# Altium PCB STB_SensorBoard.PcbDoc (part 4 of 4) (continued)
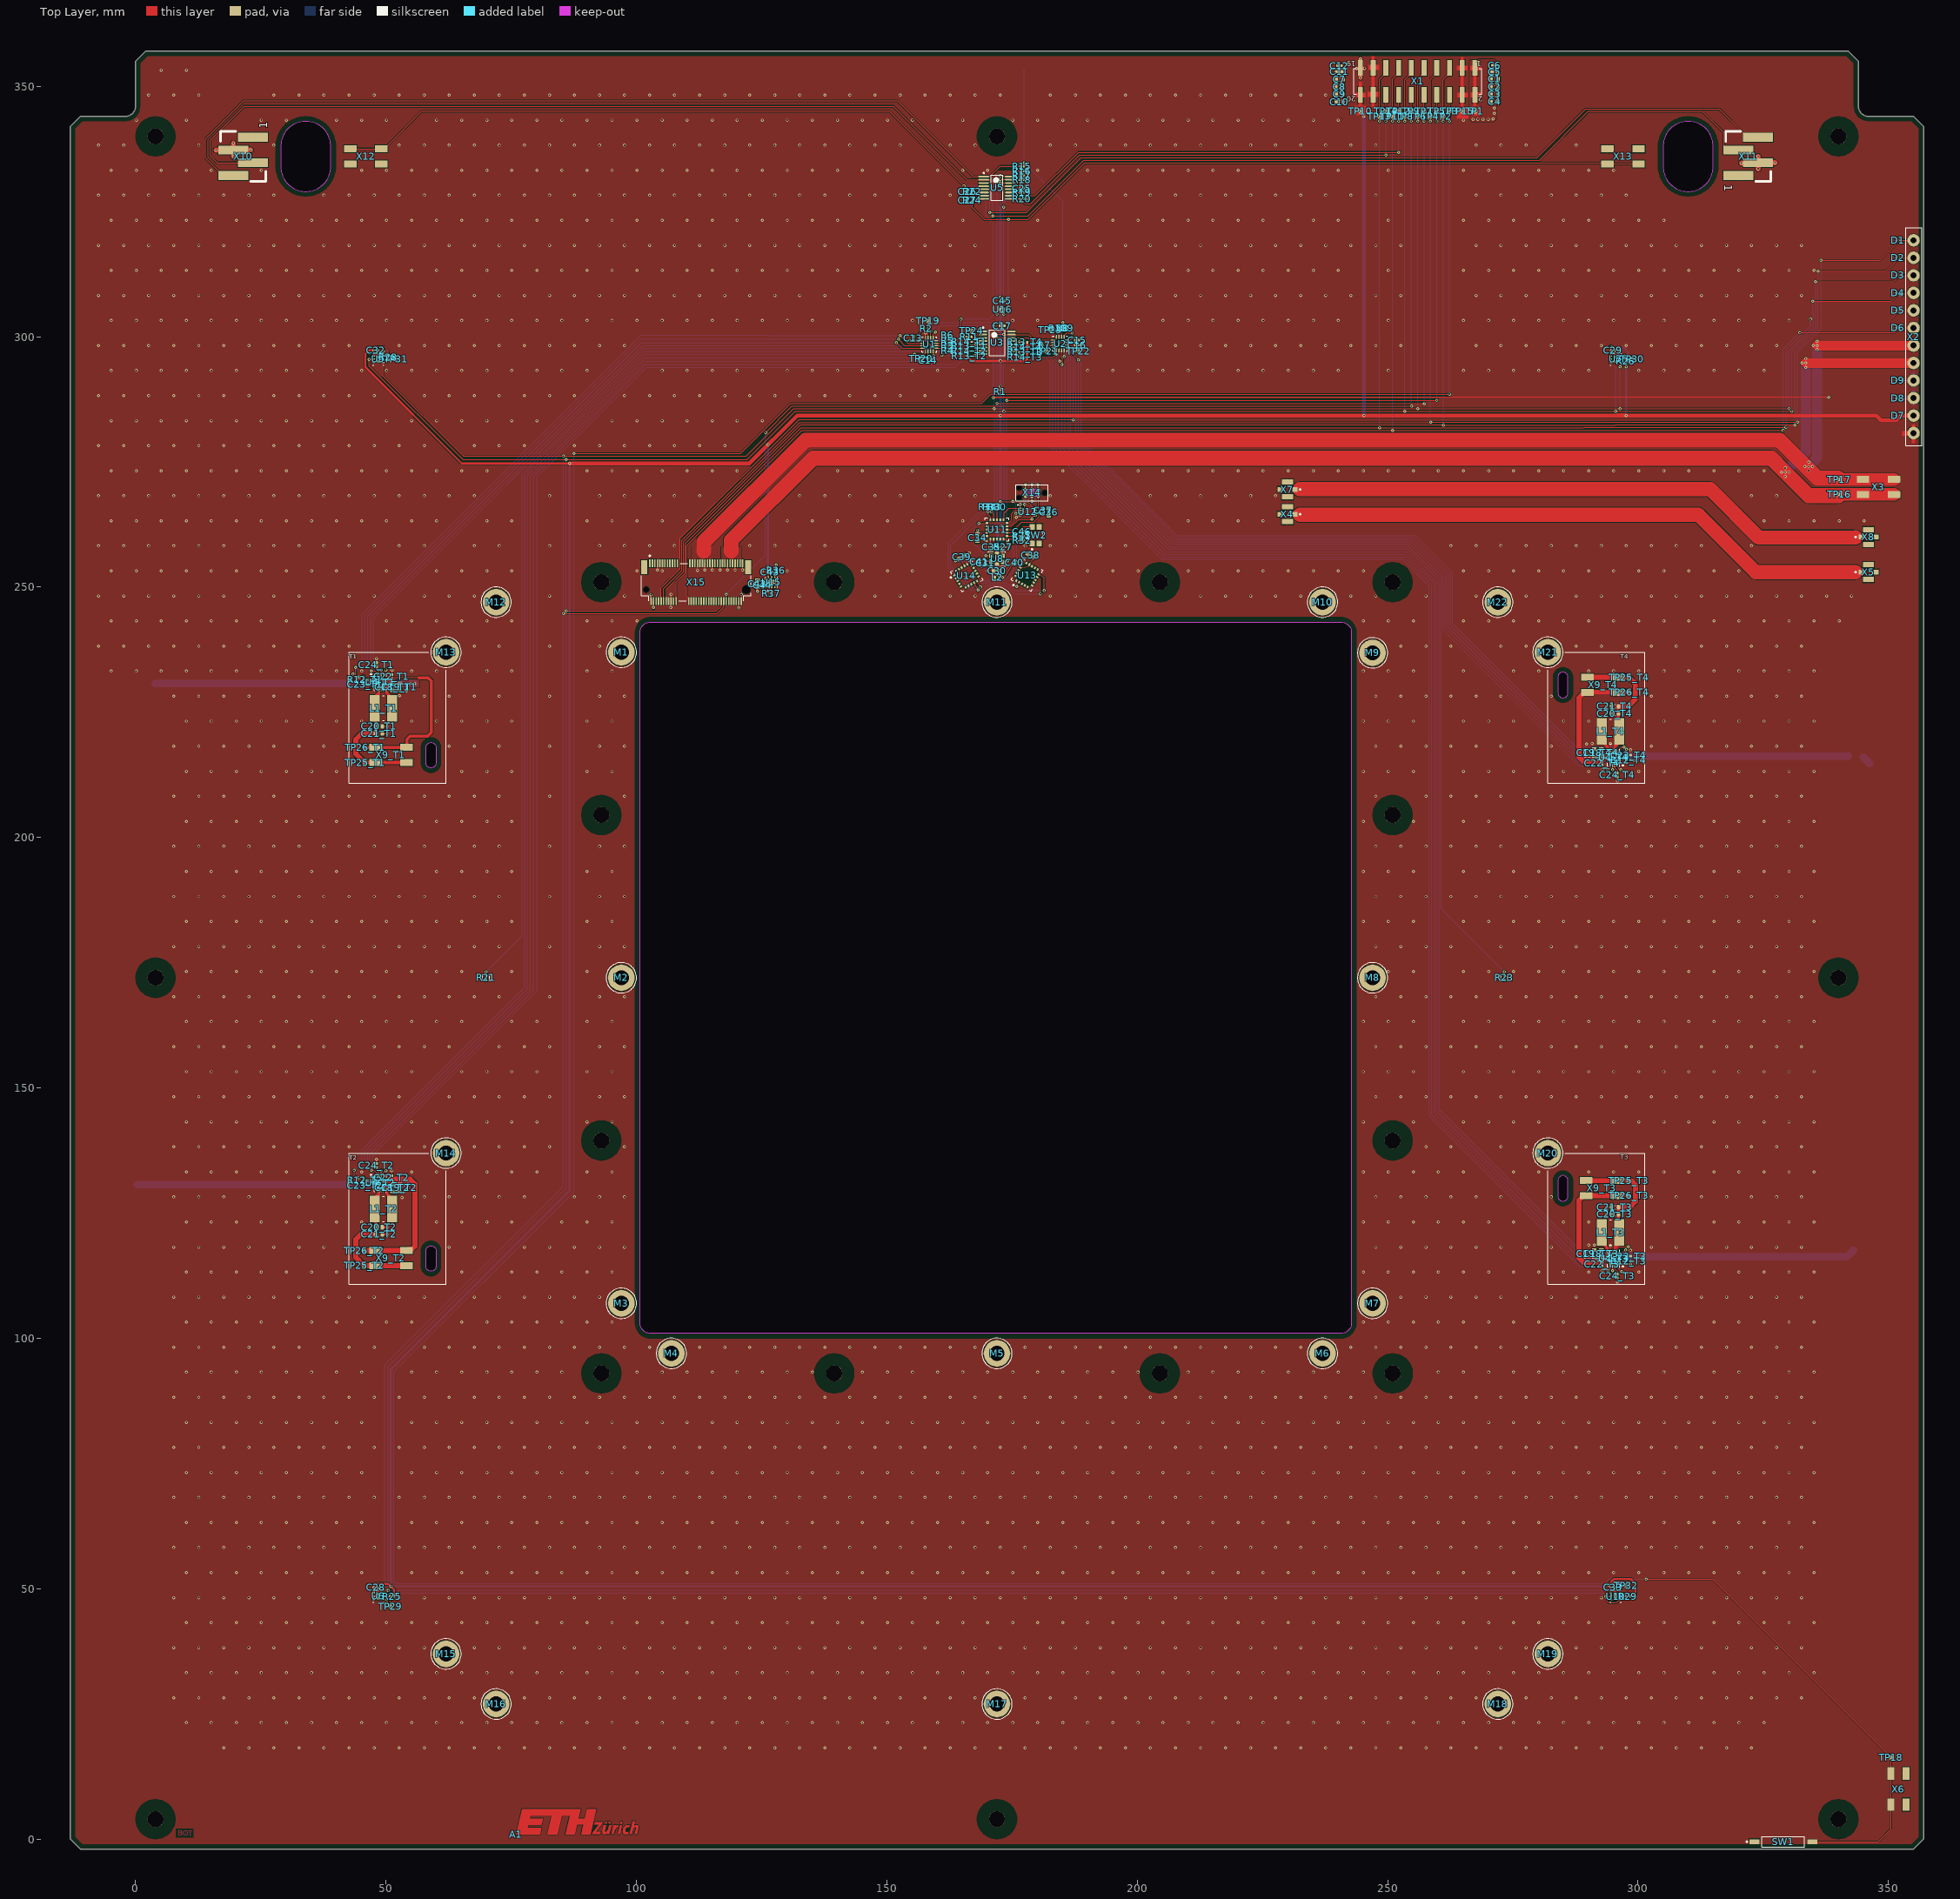
[diagram p0: Top Layer view]
## Nets (pads, with @x,y where several pads share a name; then routed paths per layer and width w, separated by ;. In a path a pad name is that pad's centre, name@x,y a point inside that pad or via, vN(x,y) a via of type N, cw(c..) or ccw(c..) an arc to the next point about the centre after c; other vN are vias at no path point) (continued)
  Top Layer w0.2: C27.2@166.099,327.64 166.099,328.194 ; C26.1@166.099,328.604 166.099,328.194 ; R24.2@167.124,327.625 167.124,328.162 ; R22.1@167.124,328.569 167.124,328.162 ; U5.7@169.35,328.162 167.124,328.162 ; 166.099,328.194 166.131,328.162 167.124,328.162
NetC26_2: C26.2 R21.1 R22.2 U5.6 X12.1 | length 381
  Top Layer w0.2: X12.1@42.9,337.5 X12.1@49.1,337.5 49.7,338.1 50.259,338.1 57.156,344.997 150.487,344.997 v1(165.416,330.067) 165.909,329.574 165.929,329.574 166.099,329.404 C26.2@166.099,329.384 166.131,329.352 167.091,329.352 167.177,329.266 167.532,329.266 168,328.797 U5.6@169.35,328.797 ; R21.1@70,172.379 v1(70,173.2) ; v1(164.8,296.833) v1(164.8,303.5)
  Bottom Layer w0.2: v1(70,173.2) 77.2,180.4 77.2,272.674 101.653,297.127 161.103,297.127 161.88,296.351 164.161,296.351 164.643,296.833 v1(164.8,296.833) ; v1(164.8,303.5) 170.56,303.5 171.26,304.2 171.26,322.629 169.8,324.089 169.8,328.2 167.933,330.067 v1(165.416,330.067)
NetC27_1: C27.1 R23.1 R24.1 U5.8 X13.1 | length 368.9
  Top Layer w0.2: C27.1@166.099,326.86 R24.1@167.152,326.86 ; U5.8@169.35,327.527 167.924,327.527 167.124,326.727 167.124,325.776 169.5,323.4 v1(174.3,323.4) 178.225,323.4 189.505,334.68 293.72,334.68 X13.1@293.9,334.5 X13.1@300.1,334.5 ; R23.1@273.325,172.379 v1(273.325,173.2)
  Bottom Layer w0.2: v1(174.3,323.4) 174.3,298.8 175.506,297.594 176.379,297.594 176.411,297.563 184.621,297.563 185.94,296.243 185.94,295.302 185.61,294.971 185.61,278.949 206.528,258.03 254.27,258.03 260.725,251.575 260.725,185.8 v1(273.325,173.2)
NetC30_2: C30.2 C31.2 L2.1 U8.6 | length 4.9
  Top Layer w0.2: L2.1@171.58,251.935 L2.1@171.675,252.03
  Top Layer w0.4: C31.2@169.6,255.193 170.713,255.193 U8.6@170.855,255.051 170.855,253.72 171.35,253.225 C30.2@171.35,253.2 171.35,252.17 171.58,251.94 L2.1@171.58,251.935
NetL1_T1_1: L1_T1.1 U4_T1.9 | length 1.6
  Top Layer w0.8: L1_T1.1@51.238,225.832 L1_T1.1@51.238,227.482
NetL1_T2_1: L1_T2.1 U4_T2.9 | length 1.6
  Top Layer w0.8: L1_T2.1@51.239,125.832 L1_T2.1@51.239,127.482
NetL1_T3_1: L1_T3.1 U4_T3.9 | length 1.6
  Top Layer w0.8: L1_T3.1@292.762,119.488 L1_T3.1@292.762,121.138
NetL1_T4_1: L1_T4.1 U4_T4.9 | length 1.6
  Top Layer w0.8: L1_T4.1@292.762,219.518 L1_T4.1@292.762,221.168
NetR2_1: R2.1 TP19.TP U1.15 | length 3.4
  Top Layer w0.2: TP19.TP@158.225,303.2 158.25,303.175 R2.1@158.25,301.6 ; R2.1@158.245,301.595 158.261,301.578 158.261,300.126 158.258,300.123 158.258,299.816 U1.15@158.261,299.813
NetR3_2: R3.2 R4.2 U1.10 | length 2.9
  Top Layer w0.2: U1.10@159.851,298.2 R3.2@161.777,298.2 R4.2@161.777,297.2
NetR5_2: R5.2 R6.2 U1.11 | length 3.4
  Top Layer w0.2: U1.11@159.851,298.7 161.277,298.7 161.627,299.05 161.627,299.075 161.752,299.2 R5.2@161.777,299.2 ; R5.2@161.777,299.2 R6.2@161.777,300.318 R6.2@161.902,300.443
NetR7_1: R7.1 TP21.TP U2.15 | length 2.6
  Top Layer w0.2: TP21.TP@181.923,297.089 R7.1@181.923,298.35 U2.15@183.285,298.35
NetR8_2: R8.2 R9.2 U2.10 | length 2.5
  Top Layer w0.2: U2.10@184.886,299.951 184.886,301.091 R8.2@185.136,301.341 185.148,301.354 186.121,301.354 R9.2@186.134,301.366
NetR11_2: R11.2 TP24.TP U3.3 | length 3.6
  Top Layer w0.2: R11.2@166.89,299.976 167.112,299.754 167.69,299.754 167.695,299.759 169.184,299.759 U3.3@169.2,299.775 ; R11.2@166.895,299.981 TP24.TP@166.895,301.143
NetR12_T1_1: R12_T1.1 U4_T1.2 | length 1.9
  Top Layer w0.2: R12_T1.1@46.3,231.532 46.6,231.232 U4_T1.2@48.038,231.232
NetR12_T2_1: R12_T2.1 U4_T2.2 | length 1.9
  Top Layer w0.2: R12_T2.1@46.3,131.532 46.6,131.232 U4_T2.2@48.039,131.232
NetR12_T3_1: R12_T3.1 U4_T3.2 | length 1.9
  Top Layer w0.2: U4_T3.2@295.962,115.738 297.4,115.738 R12_T3.1@297.7,115.438
NetR12_T4_1: R12_T4.1 U4_T4.2 | length 1.9
  Top Layer w0.2: U4_T4.2@295.962,215.768 297.4,215.768 R12_T4.1@297.7,215.468
NetR25_1: R25.1 TP29.TP U6.5 | length 3.4
  Top Layer w0.2: U6.5@49.45,48.5 R25.1@50.85,48.5 50.865,48.485 50.865,46.515 TP29.TP@50.879,46.5
NetR26_1: R26.1 TP30.TP U7.5 | length 2.5
  Top Layer w0.2: U7.5@296.45,295.5 R26.1@297.6,295.5 ; R26.1@297.575,295.48 TP30.TP@298.891,295.48
NetR28_1: R28.1 TP31.TP U9.5 | length 2.4
  Top Layer w0.2: U9.5@49.45,295.5 50.6,295.5 TP31.TP@51.8,295.5
NetR29_1: R29.1 TP32.TP U10.5 | length 3.3
  Top Layer w0.2: U10.5@296.45,48.5 R29.1@297.6,48.5 297.631,48.531 297.631,50.619 TP32.TP@297.663,50.65
NetR30_1: R30.1 U11.8 | length 2.2
  Top Layer w0.2: U11.8@172,263.425 R30.1@172,265.626
NetR36_2: R36.2 U15.4 | length 1.1
  Top Layer w0.2: U15.4@127.646,251.975 127.646,252.642 127.965,252.96 R36.2@127.965,252.985
NetR37_2: R37.2 U15.2 | length 1
  Top Layer w0.2: R37.2@126.994,249.071 R37.2@127.058,249.007 ; R37.2@126.996,249.104 U15.2@126.996,250.025
NetX4_1: X4.1 X5.1 | length 115.7
  Top Layer w2.85: 232.471,264.451 312.049,264.451 323.5,253 343.415,253
NetX7_1: X7.1 X8.1 | length 114.9
  Top Layer w2.85: 232.438,269.549 314.427,269.549 324.082,259.894 343.379,259.894 343.381,259.896
PELTIER_VO1_T1: C22_T1.2 TP26_T1.TP U4_T1.11 X9_T1.2 | length 28.3
  Top Layer w0.635: TP26_T1.TP@45.829,217.986 45.835,217.993 47.893,217.993 X9_T1.2@47.9,218 X9_T1.2@54.1,218 ; X9_T1.2@54.176,218.01 54.176,219.598 54.824,220.246 58.32,220.246 59.059,220.985 59.059,231.257 58.415,231.9 56.637,231.9
PELTIER_VO1_T2: C22_T2.2 TP26_T2.TP U4_T2.11 X9_T2.2 | length 26.7
  Top Layer w0.635: X9_T2.2@54.1,117.53 54.482,117.912 X9_T2.2@55.275,117.912
  Top Layer w1: TP26_T2.TP@45.656,117.53 X9_T2.2@47.9,117.53 X9_T2.2@54.1,117.53 ; 52.447,131.781 54.87,131.781 55.8,130.851 55.8,118.437 X9_T2.2@55.275,117.912
PELTIER_VO1_T3: C22_T3.2 TP26_T3.TP U4_T3.11 X9_T3.2 | length 24.6
  Top Layer w0.635: X9_T3.2@295.833,128.5 TP26_T3.TP@298.1,128.5
  Top Layer w1: X9_T3.2@288.832,128.214 288.2,127.582 288.2,116.04 289.051,115.189 291.553,115.189 ; X9_T3.2@289.633,128.5 X9_T3.2@295.833,128.5
PELTIER_VO1_T4: C22_T4.2 TP26_T4.TP U4_T4.11 X9_T4.2 | length 26
  Top Layer w1: 291.553,215.219 289.051,215.219 288.2,216.07 288.2,227.885 289.115,228.8 289.7,228.8 X9_T4.2@289.9,229 X9_T4.2@296.1,229 TP26_T4.TP@298.187,229
PELTIER_VOS_T1: C20_T1.2 C21_T1.2 L1_T1.2 TP25_T1.TP U4_T1.6 X9_T1.1 | length 21.7
  Top Layer w0.635: TP25_T1.TP@45.829,214.986 45.835,214.993 47.893,214.993 X9_T1.1@47.9,215 X9_T1.1@54.1,215 ; C21_T1.2@47.913,220.796 47.913,225.041 L1_T1.2@47.927,225.055
  Top Layer w1: TP25_T1.TP@45.656,215.079 44,216.735 44,219.598 45.198,220.796 47.463,220.796
PELTIER_VOS_T2: C20_T2.2 C21_T2.2 L1_T2.2 TP25_T2.TP U4_T2.6 X9_T2.1 | length 23
  Top Layer w0.635: C21_T2.2@47.914,120.796 47.914,125.041 L1_T2.2@47.927,125.055
  Top Layer w1: C21_T2.2@47.914,120.796 45.05,120.796 44,119.746 44,116.186 TP25_T2.TP@45.656,114.53 X9_T2.1@47.9,114.53 X9_T2.1@54.1,114.53
PELTIER_VOS_T3: C20_T3.2 C21_T3.2 L1_T3.2 TP25_T3.TP U4_T3.6 X9_T3.1 | length 21.7
  Top Layer w0.635: L1_T3.2@296.073,121.915 296.087,121.929 C20_T3.2@296.087,124.77 C21_T3.2@296.087,126.174
  Top Layer w1: X9_T3.1@289.633,131.5 X9_T3.1@295.833,131.5 TP25_T3.TP@298.1,131.5 ; C21_T3.2@296.087,126.174 298.304,126.174 299.498,127.369 299.498,130.673 298.682,131.489 TP25_T3.TP@298.111,131.489
PELTIER_VOS_T4: C20_T4.2 C21_T4.2 L1_T4.2 TP25_T4.TP U4_T4.6 X9_T4.1 | length 21.4
  Top Layer w0.635: L1_T4.2@296.073,221.945 296.087,221.959 C20_T4.2@296.087,224.8 C21_T4.2@296.087,226.204 ; TP25_T4.TP@298.187,232 TP25_T4.TP@298.189,231.997
  Top Layer w1: X9_T4.1@289.9,232 X9_T4.1@296.1,232 TP25_T4.TP@298.187,232 ; C21_T4.2@296.087,226.204 298.065,226.204 299.454,227.593 299.454,230.733 TP25_T4.TP@298.189,231.997
SLV1_nRES: R31.1 U11.1 U14.2 | length 22.3
  Top Layer w0.2: U14.2@163.897,251.854 U14.2@163.839,251.796 163.972,251.862 164.575,252.211 166.775,252.211 v1(166.839,252.147) ; U11.1@174.025,260.2 v1(175.35,260.2) R31.1@176.583,260.2
  Bottom Layer w0.2: v1(166.839,252.147) 167.659,251.327 173.298,251.327 175.3,253.329 ccw(c175.12,253.507) 175.374,253.507 175.374,260.176 v1(175.35,260.2)
SLV2_nRES: R32.1 U11.20 U13.2 | length 13.7
  Top Layer w0.2: U11.20@173.3,259.575 175.688,259.575 175.913,259.35 v1(176.007,259.35) ; v1(175.939,250.125) 175.911,250.153 175.911,250.181 176.311,250.874 U13.2@176.425,250.98 ; v1@176.028,259.329 176.589,259.329 R32.1@176.61,259.309
  Bottom Layer w0.2: v1(175.939,250.125) 175.973,250.159 175.973,259.316 v1(176.007,259.35)
SPEC_nRES: C46.2 SW2.1 SW2.3 U11.2 | length 9.1
  Top Layer w0.2: U11.2@174.025,260.85 174.039,260.864 176.392,260.864 176.592,261.064 C46.2@176.612,261.064 176.696,261.147 176.696,261.506 177.332,262.143 178.901,262.143 SW2.3@179.005,262.039 SW2.1@179.005,258.689
SPI_SPEC_MISO: U11.5 U12.2 X14.1 | length 14
  Top Layer w0.2: U11.5@174.025,262.8 174.069,262.844 174.48,262.844 174.924,263.288 174.924,264.588 175.62,265.284 177.208,265.284 177.55,265.626 v1(177.55,266.551) ; X14.1@180.245,269.47 v1(180.245,270.435)
  Bottom Layer w0.2: v1(177.55,266.551) 178.299,267.3 178.299,270.635 178.626,270.962 179.718,270.962 v1(180.245,270.435)
SPI_SPEC_MOSI: U11.4 U12.5 X14.4 | length 11.3
  Top Layer w0.2: U11.4@174.025,262.15 174.919,262.15 176.266,263.497 178.905,263.497 179.047,263.638 179.047,263.952 179.378,264.284 U12.5@179.613,264.284 ; v1(178.953,267.132) 178.964,267.143 178.964,268.189 X14.4@178.975,268.2
  Bottom Layer w0.2: v1(178.953,267.132) 178.961,267.123 178.961,263.57 v1(178.97,263.561)
SPI_SPEC_nCS: U11.6 U12.1 X14.5 | length 11.1
  Top Layer w0.2: U11.6@173.3,263.425 173.4,263.525 173.4,263.706 173.411,263.717 173.411,264.796 174.399,265.784 U12.1@176.613,265.784 176.613,266.548 v1(176.61,266.551) ; v1(177.693,270.435) 177.699,270.429 177.699,269.476 X14.5@177.705,269.47
  Bottom Layer w0.2: v1(176.61,266.551) 177.693,267.634 v1(177.693,270.435)
SPI_SPEC_SCK: U11.3 U12.6 X14.3 | length 16.2
  Top Layer w0.2: U11.3@174.025,261.5 175.421,261.5 176.918,262.997 179.372,262.997 180.422,264.046 v1(180.422,264.784) U12.6@179.613,264.784 ; X14.3@178.975,269.47 v1(178.975,270.435)
  Bottom Layer w0.2: v1(178.975,270.435) 180.267,269.143 180.267,265.048 180.422,264.893 v1(180.422,264.784)
UART_SYS_RX: D6.1 TP11.TP X1.13 X2.7 X15.32 | length 356.7
  Top Layer w0.2: X15.32@110.45,247.225 110.4,247.275 110.4,248.007 110.072,248.336 110.072,258.32 133.025,281.273 v1(251,281.273) 251.008,281.265 329.004,281.265 v1(329.011,281.258) ; v1(251,343) TP11.TP@251,344 251,351.46 252.19,352.65 X1.13@252.19,353.7 ; v1(332.3,300.8) 351.324,300.8 352.256,301.732 352.311,301.732 D6.1@352.336,301.757 ; D6.1@352.316,301.75 X2.7@354.963,301.75
  Bottom Layer w0.2: v1@250.929,281.344 v1(251,281.273) v1(251,343) ; v1(329.011,281.258) 328.999,281.27 328.999,297.499 v1(332.3,300.8)
UART_SYS_TX: D5.1 TP13.TP X1.15 X2.8 X15.22 | length 358.9
  Top Layer w0.2: X15.22@107.95,247.225 107.95,251.002 109.747,252.798 109.747,258.71 132.846,281.809 v1@248.387,281.809 ; v1(248.381,343) TP13.TP@248.381,343.997 248.381,351.381 249.65,352.65 X1.15@249.65,353.7 ; v1(248.393,281.848) 248.423,281.817 289.149,281.817 289.258,281.927 v1(329.526,281.927) ; v1(334.403,303.5) 350.524,303.5 352.281,305.257 D5.1@352.336,305.257 ; D5.1@352.336,305.25 X2.8@354.963,305.25
  Bottom Layer w0.2: v1(248.381,343) 248.387,342.994 248.387,281.854 v1(248.393,281.848) ; v1(329.526,281.927) 329.602,282.003 329.602,297.357 334.403,302.158 v1(334.403,303.5)
VDUT: R10.2 TP23.TP U2.11 X15.10 | length 124.9
  Top Layer w0.2: X15.10@104.95,247.225 104.944,247.231 104.944,249.843 108.772,253.67 108.772,259.72 132.505,283.453 187.182,283.453 v1(187.23,283.404) ; TP23.TP@182.673,301.366 v1(183.637,301.366) R10.2@184.203,301.366 184.203,301.341 184.386,301.159 U2.11@184.386,299.951
  Bottom Layer w0.2: v1(183.637,301.366) 187.248,297.755 187.248,283.422 v1(187.23,283.404)
pads on no net: U11.7 U11.15 U11.18 U11.19 U12.9 U13.1 U13.3 U13.4 U13.5 U13.6 U13.7 U13.8 U13.11 U13.12 U13.13 U13.15 U13.18 U13.19 U13.20 U14.1 U14.3 U14.4 U14.5 U14.6 U14.7 U14.8 U14.11 U14.12 U14.13 U14.15 U14.18 U14.19 U14.20 U15.3 X14. X15. X15.3 X15.5 X15.6 X15.8 X15.9 X15.11 X15.13 X15.15 X15.16 X15.17 X15.19 X15.20 X15.21 X15.23 X15.34 X15.36 X15.38 X15.40 X15.42 X15.44 X15.46 X15.48 X15.50 X15.52 X15.53 X15.54 X15.55 X15.56 X15.64 X15.66 X15.68 X15.70

## Polygon pours and split planes (outlines as drawn)
GND on Top Layer "NONET_L-01_P-001" (solid, remove dead copper, pour order 64): -13,-2 -12.5,-2 357.5,-2 357.5,357.5 357,357 -13,357
3V3 on Top Layer "NONET_L-01_P-001" (solid, remove dead copper, pour order 62): 240.6,344.025 241.2,343.425 245.264,343.425 245.839,344 245.839,355 241.08,355 240.6,354.52
5V on Top Layer "NONET_L-01_P-001" (solid, remove dead copper, pour order 61): 266.4,343.5 267,342.9 271.064,342.9 271.639,343.475 271.639,354.475 271.639,355.054 271.304,355.39 266.79,355.39 266.4,355
PELTIER_VO1_T1 on Top Layer "PELTIER_VO1_T1_L01_P051" (solid, pour order 51): 50.828,232.009 51.715,232.13 56.637,232.13 56.637,231.671 51.989,231.671 51.6,231.281 50.828,231.281
5V on Top Layer "NONET_L-01_P-001" (solid, pour order 50): 53.15,231.24 53.15,230.012 56.675,230.012 56.675,231.537 52.853,231.537
CELL_NEG on Top Layer "NONET_L-01_P-001" (solid, pour order 32): 116.95,258 116.95,255.35 120.95,255.35 120.95,258
CELL_POS on Top Layer "NONET_L-01_P-001" (solid, pour order 31): 110.95,258 110.95,255.35 114.95,255.35 114.95,258
GND on Bottom Layer "NONET_L-01_P-001" (solid, remove dead copper, pour order 63): -13,-2 -12.5,-2 357.5,-2 357.5,357.5 357,357 -13,357
5V on Bottom Layer "NONET_L-01_P-001" (solid, pour order 36): 357,289.5 351.99,289.5 350.286,291.203 350.39,329.51 346.9,333 321.08,333 320,334 320.04,347.86 317.582,350.318 266.4,350.275 266.4,342.6 270.05,338.95 297.55,338.95 299.4,337.1 299.4,330.033 308.533,320.9 331.806,320.9 337,315.706 337,289.5 337,275.033 348.5,263.533 348.5,249.9 336,237.4 336,29.75 322.25,16 15.5,16 5,26.5 5,231.2 3.5,232.7 -13,232.7 -13,0 -11,-2 354.95,-2 357,0.05
12V on Bottom Layer "NONET_L-01_P-001" (solid, pour order 35): 357,289.64 351.85,289.64 350.39,291.1 350.39,329.51 346.842,333.058 327.256,333.058 320.871,333.058 320,334 320.04,347.86 317.582,350.318 28.7,350.2 23.465,344.965 23.465,336.137 21,333.672 20.672,334 16.5,334 14.5,336 14.5,357 354.5,357 357,354.5
3V3_DUT on Bottom Layer "NONET_L-01_P-001" (solid, remove dead copper, pour order 60): 102.206,248.321 102.206,245.919 102.728,245.397 123.289,245.397 124.527,246.635 124.527,249.304 124.023,249.808 122.621,249.808 121.86,248.945 118.23,248.945 102.83,248.945

## Other copper
Top Layer:
  rectangle net GND: 352.739,280.211 354.896,281.173
  rectangle net GND: 354.636,278.764 355.364,282.439
  rectangle net 3V3: 243.449,347.731 245.612,348.743
  rectangle net GND: 245.989,347.883 248.152,348.895
  rectangle net GND: 246.141,353.283 248.304,354.295
  rectangle net GND: 263.921,347.731 266.084,348.743
  rectangle net GND: 263.769,353.131 265.932,354.143
  rectangle net 3V3: 244.26,345.956 244.833,350.877
  rectangle net GND: 246.786,345.803 247.359,356.009
  rectangle net GND: 264.6,345.659 265.174,355.866
  rectangle net GND: 263.787,343.5 266.265,345.831
  rectangle net 5V: 267.13,345.996 267.704,353.122
  rectangle net 5V: 266.461,353.131 268.624,354.143
  rectangle net 5V: 266.537,347.807 268.7,348.819
  rectangle net 5V: 266.626,344.1 268.4,345.988
  rectangle net 3V3: 243.28,344.222 245.738,346.1
  pour cut-out: 139.509,247 cw(c139.509,251) 135.509,251 cw(c139.509,251) 139.509,255 cw(c139.509,251) 143.509,251 cw(c139.509,251)
  pour cut-out: 93,247 cw(c93,251) 89,251 cw(c93,251) 93,255 cw(c93,251) 97,251 cw(c93,251)
  pour cut-out: 93,200.5 cw(c93,204.5) 89,204.5 cw(c93,204.5) 93,208.5 cw(c93,204.5) 97,204.5 cw(c93,204.5)
  pour cut-out: 93,135.5 cw(c93,139.5) 89,139.5 cw(c93,139.5) 93,143.5 cw(c93,139.5) 97,139.5 cw(c93,139.5)
  pour cut-out: 93.009,89 cw(c93.009,93) 89.009,93 cw(c93.009,93) 93.009,97 cw(c93.009,93) 97.009,93 cw(c93.009,93)
  pour cut-out: 139.5,89 cw(c139.5,93) 135.5,93 cw(c139.5,93) 139.5,97 cw(c139.5,93) 143.5,93 cw(c139.5,93)
  pour cut-out: 204.5,89 cw(c204.5,93) 200.5,93 cw(c204.5,93) 204.5,97 cw(c204.5,93) 208.5,93 cw(c204.5,93)
  pour cut-out: 251.009,89 cw(c251.009,93) 247.009,93 cw(c251.009,93) 251.009,97 cw(c251.009,93) 255.009,93 cw(c251.009,93)
  pour cut-out: 251,135.5 cw(c251,139.5) 247,139.5 cw(c251,139.5) 251,143.5 cw(c251,139.5) 255,139.5 cw(c251,139.5)
  pour cut-out: 250.991,200.5 cw(c250.991,204.5) 246.991,204.5 cw(c250.991,204.5) 250.991,208.5 cw(c250.991,204.5) 254.991,204.5 cw(c250.991,204.5)
  pour cut-out: 250.991,246.991 cw(c250.991,250.991) 246.991,250.991 cw(c250.991,250.991) 250.991,254.991 cw(c250.991,250.991) 254.991,250.991 cw(c250.991,250.991)
  pour cut-out: 204.509,247 cw(c204.509,251) 200.509,251 cw(c204.509,251) 204.509,255 cw(c204.509,251) 208.509,251 cw(c204.509,251)
  pour cut-out: 172,336 cw(c172,340) 168,340 cw(c172,340) 172,344 cw(c172,340) 176,340 cw(c172,340)
  pour cut-out: 340,336 cw(c340,340) 336,340 cw(c340,340) 340,344 cw(c340,340) 344,340 cw(c340,340)
  pour cut-out: 340,168 cw(c340,172) 336,172 cw(c340,172) 340,176 cw(c340,172) 344,172 cw(c340,172)
  pour cut-out: 340,0 cw(c340,4) 336,4 cw(c340,4) 340,8 cw(c340,4) 344,4 cw(c340,4)
  pour cut-out: 172,0 cw(c172,4) 168,4 cw(c172,4) 172,8 cw(c172,4) 176,4 cw(c172,4)
  pour cut-out: 4,0 cw(c4,4) 0,4 cw(c4,4) 4,8 cw(c4,4) 8,4 cw(c4,4)
  pour cut-out: 4,168 cw(c4,172) 0,172 cw(c4,172) 4,176 cw(c4,172) 8,172 cw(c4,172)
  pour cut-out: 4,336 cw(c4,340) 0,340 cw(c4,340) 4,344 cw(c4,340) 8,340 cw(c4,340)
  pour cut-out: 4,336 cw(c4,340) 0,340 cw(c4,340) 4,344 cw(c4,340) 8,340 cw(c4,340)
  pour cut-out: 173.398,305.008 173.398,306.225 173.6,306.225 173.6,304.821
  pour cut-out: 172.685,306.897 172.685,305.812 173.075,305.422 173.14,305.488 173.14,306.772
  region net PELTIER_VO1_T4: 292.549,215.719 291.6,215.719 291.6,214.724 292.283,214.724 292.549,214.99
  region net PELTIER_VO1_T3: 292.549,115.689 291.6,115.689 291.6,114.694 292.283,114.694 292.549,114.96
  region net PELTIER_VO1_T2: 51.451,131.281 52.4,131.281 52.4,132.276 51.717,132.276 51.451,132.01
  region net PELTIER_VOS_T4: 295.212,217.187 295.212,218.464 295.415,218.668 296.291,218.668 295.408,217.785 295.408,217.445
  region net NetL1_T4_1: 294.138,216.498 294.138,218.152 293.622,218.668 292.912,218.668 293.512,218.068 293.512,216.779 293.793,216.498
  region net 5V: 293.887,216.269 293.811,216.269 293.489,216.591 290.801,216.591 290.801,215.889 293.433,215.889 293.614,216.07 293.887,216.07
  region net PELTIER_VO1_T4: 294.262,215.768 294.161,215.868 293.667,215.868 293.518,215.719 292.549,215.719 292.549,214.99 293.134,214.99 293.811,215.667 294.264,215.667
  region net PELTIER_VOS_T3: 295.212,117.157 295.212,118.434 295.415,118.638 296.291,118.638 295.408,117.755 295.408,117.414
  region net NetL1_T3_1: 294.138,116.468 294.138,118.122 293.622,118.638 292.912,118.638 293.512,118.038 293.512,116.749 293.793,116.468
  region net 5V: 293.887,116.239 293.811,116.239 293.489,116.561 290.801,116.561 290.801,115.859 293.433,115.859 293.614,116.04 293.887,116.04
  region net PELTIER_VO1_T3: 294.262,115.738 294.161,115.838 293.667,115.838 293.518,115.689 292.549,115.689 292.549,114.96 293.134,114.96 293.811,115.637 294.264,115.637
  region net PELTIER_VOS_T2: 48.788,129.813 48.788,128.536 48.585,128.332 47.709,128.332 48.592,129.215 48.592,129.556
  region net NetL1_T2_1: 49.862,130.502 49.862,128.848 50.378,128.332 51.089,128.332 50.489,128.932 50.489,130.221 50.207,130.502
  region net 5V: 50.113,130.731 50.189,130.731 50.511,130.409 53.199,130.409 53.199,131.111 50.568,131.111 50.386,130.93 50.113,130.93
  region net PELTIER_VO1_T2: 49.739,131.232 49.839,131.132 50.333,131.132 50.483,131.281 51.451,131.281 51.451,132.01 50.866,132.01 50.189,131.333 49.736,131.333
  region net PELTIER_VOS_T4: 295.212,217.187 295.212,218.464 295.415,218.668 296.291,218.668 295.408,217.785 295.408,217.445
  region net NetL1_T4_1: 294.138,216.498 294.138,218.152 293.622,218.668 292.912,218.668 293.512,218.068 293.512,216.779 293.793,216.498
  region net 5V: 293.887,216.269 293.811,216.269 293.489,216.591 290.801,216.591 290.801,215.889 293.433,215.889 293.614,216.07 293.887,216.07
  region net PELTIER_VO1_T4: 294.262,215.768 294.161,215.868 293.667,215.868 293.518,215.719 292.549,215.719 292.549,214.99 293.134,214.99 293.811,215.667 294.264,215.667
  region net PELTIER_VOS_T3: 295.212,117.157 295.212,118.434 295.415,118.638 296.291,118.638 295.408,117.755 295.408,117.414
  region net NetL1_T3_1: 294.138,116.468 294.138,118.122 293.622,118.638 292.912,118.638 293.512,118.038 293.512,116.749 293.793,116.468
  region net 5V: 293.887,116.239 293.811,116.239 293.489,116.561 290.801,116.561 290.801,115.859 293.433,115.859 293.614,116.04 293.887,116.04
  region net PELTIER_VO1_T3: 294.262,115.738 294.161,115.838 293.667,115.838 293.518,115.689 292.549,115.689 292.549,114.96 293.134,114.96 293.811,115.637 294.264,115.637
  region net PELTIER_VOS_T1: 48.788,229.813 48.788,228.536 48.585,228.332 47.709,228.332 48.592,229.215 48.592,229.555
  region net NetL1_T1_1: 49.862,230.502 49.862,228.848 50.378,228.332 51.088,228.332 50.488,228.932 50.488,230.221 50.207,230.502
  region net PELTIER_VO1_T1: 49.738,231.232 49.839,231.132 50.333,231.132 50.482,231.281 51.451,231.281 51.451,232.01 50.866,232.01 50.189,231.333 49.736,231.333
  region net 5V: 50.113,230.731 50.189,230.731 50.511,230.409 53.199,230.409 53.199,231.111 50.567,231.111 50.386,230.93 50.113,230.93
  text "BOT" at 8.484,0.72 h1
Bottom Layer:
  region net 5V: 352.372,288.159 352.372,287.345 355.579,287.345 355.579,288.159
  region net 12V: 355.721,290.843 355.721,291.657 352.515,291.657 352.515,290.843
  rectangle net 5V: 354.547,286.239 355.361,289.446
  rectangle net 12V: 354.586,289.748 355.4,292.954
  pour cut-out: 93,136.5 cw(c93,139.5) 90,139.5 cw(c93,139.5) 93,142.5 cw(c93,139.5) 96,139.5 cw(c93,139.5)
  pour cut-out: 93,201.5 cw(c93,204.5) 90,204.5 cw(c93,204.5) 93,207.5 cw(c93,204.5) 96,204.5 cw(c93,204.5)
  pour cut-out: 93,248 cw(c93,251) 90,251 cw(c93,251) 93,254 cw(c93,251) 96,251 cw(c93,251)
  pour cut-out: 139.509,248 cw(c139.509,251) 136.509,251 cw(c139.509,251) 139.509,254 cw(c139.509,251) 142.509,251 cw(c139.509,251)
  pour cut-out: 204.5,248 cw(c204.5,251) 201.5,251 cw(c204.5,251) 204.5,254 cw(c204.5,251) 207.5,251 cw(c204.5,251)
  pour cut-out: 250.991,247.991 cw(c250.991,250.991) 247.991,250.991 cw(c250.991,250.991) 250.991,253.991 cw(c250.991,250.991) 253.991,250.991 cw(c250.991,250.991)
  pour cut-out: 250.991,201.5 cw(c250.991,204.5) 247.991,204.5 cw(c250.991,204.5) 250.991,207.5 cw(c250.991,204.5) 253.991,204.5 cw(c250.991,204.5)
  pour cut-out: 251.009,136.5 cw(c251.009,139.5) 248.009,139.5 cw(c251.009,139.5) 251.009,142.5 cw(c251.009,139.5) 254.009,139.5 cw(c251.009,139.5)
  pour cut-out: 251,90 cw(c251,93) 248,93 cw(c251,93) 251,96 cw(c251,93) 254,93 cw(c251,93)
  pour cut-out: 204.5,90 cw(c204.5,93) 201.5,93 cw(c204.5,93) 204.5,96 cw(c204.5,93) 207.5,93 cw(c204.5,93)
  pour cut-out: 139.5,90 cw(c139.5,93) 136.5,93 cw(c139.5,93) 139.5,96 cw(c139.5,93) 142.5,93 cw(c139.5,93)
  pour cut-out: 93.009,90 cw(c93.009,93) 90.009,93 cw(c93.009,93) 93.009,96 cw(c93.009,93) 96.009,93 cw(c93.009,93)
  pour cut-out: 4,1 cw(c4,4) 1,4 cw(c4,4) 4,7 cw(c4,4) 7,4 cw(c4,4)
  pour cut-out: 172,1 cw(c172,4) 169,4 cw(c172,4) 172,7 cw(c172,4) 175,4 cw(c172,4)
  pour cut-out: 340,1 cw(c340,4) 337,4 cw(c340,4) 340,7 cw(c340,4) 343,4 cw(c340,4)
  pour cut-out: 340,169 cw(c340,172) 337,172 cw(c340,172) 340,175 cw(c340,172) 343,172 cw(c340,172)
  pour cut-out: 340,337 cw(c340,340) 337,340 cw(c340,340) 340,343 cw(c340,340) 343,340 cw(c340,340)
  pour cut-out: 172,337 cw(c172,340) 169,340 cw(c172,340) 172,343 cw(c172,340) 175,340 cw(c172,340)
  pour cut-out: 4,337 cw(c4,340) 1,340 cw(c4,340) 4,343 cw(c4,340) 7,340 cw(c4,340)
  pour cut-out: 4,169 cw(c4,172) 1,172 cw(c4,172) 4,175 cw(c4,172) 7,172 cw(c4,172)
  text "BOT" at 11.216,0.72 h1

## Silkscreen, mask and mechanical layers (free items; w line width, h text height)
Top Overlay:
  lines w0.2: 58.526,137 42.642,137 42.642,110.834 62,110.834 62,133.45 ; 58.526,237 42.642,237 ; 62,233.45 62,210.834 42.642,210.834 42.642,237 ; 282,133.45 282,110.834 301.358,110.834 301.358,137 285.383,137 ; 282,233.45 282,210.834 301.358,210.834 301.358,237 285.383,237 ; 42.642,237 ccw(c42.642,237) 42.642,237 ; 62,213 ccw(c62,213) 62,213
  text "T4" at 296.488,235.357 h1.52
  text "T1" at 42.642,235.326 h1.52
  text "T3" at 296.488,135.357 h1.52
  text "T2" at 42.642,135.326 h1.52
Bottom Overlay:
  text "STB Sensor Board / V1.0 - A / 2022" at 55.75,0.605 h1.52
Top Solder:
  drawing of 6 lines, arcs and shapes, not listed
  text "PROJECT" at 110,4.639 h1.52
  text "PROJECT" at 110,4.655 h1.52
  text "BASED" at 110,3.355 h1.52
  text "BASED" at 110,3.339 h1.52
  text "LEARNING" at 110,2.033 h1.52
  text "LEARNING" at 110,2.017 h1.52
Mechanical 4:
  lines w0: -13,0 -11,-2 355,-2 357,0 357,13 357,331 357,342 355,344 346,344 cw(c346,346) 344,346 344,355 342,357 2,357 0,355 0,346 cw(c-2,346) -2,344 -11,344 -13,342 -13,333 -13,0 ; 29,334 ccw(c34,334) 39,334 39,338 ccw(c34,338) 29,338 29,334 ; 58,114.4 ccw(c59,114.4) 59,113.4 ccw(c59,114.4) 60,114.4 60,117.5 ccw(c59,117.5) 59,118.5 ccw(c59,117.5) 58,117.5 58,114.4 ; 58,214.9 ccw(c59,214.9) 59,213.9 ccw(c59,214.9) 60,214.9 60,218 ccw(c59,218) 59,219 ccw(c59,218) 58,218 58,214.9 ; 100.75,103 ccw(c102.75,103) 102.75,101 240.75,101 ccw(c240.75,103) 242.75,103 242.75,241 ccw(c240.75,241) 240.75,243 102.75,243 ccw(c102.75,241) 100.75,241 100.75,103 ; 284,128.4 ccw(c285,128.4) 285,127.4 ccw(c285,128.4) 286,128.4 286,131.5 ccw(c285,131.5) 285,132.5 ccw(c285,131.5) 284,131.5 284,128.4 ; 284,228.9 ccw(c285,228.9) 285,227.9 ccw(c285,228.9) 286,228.9 286,232 ccw(c285,232) 285,233 ccw(c285,232) 284,232 284,228.9 ; 305,334 ccw(c310,334) 315,334 315,338 ccw(c310,338) 305,338 305,334
Mechanical 6:
  circle w0.254: c4,172 r3
  circle w0.254: c4,4 r4
  circle w0.254: c237,97 r1.6
  circle w0.254: c172,4 r4
  circle w0.254: c4,172 r4
  circle w0.254: c172,340 r4
  circle w0.254: c340,172 r4
  circle w0.254: c340,340 r4
  circle w0.254: c4,340 r4
  circle w0.254: c340,4 r4
  circle w0.254: c204.509,93 r4
  circle w0.254: c251.009,139.5 r4
  circle w0.254: c251,250.991 r4
  circle w0.254: c251.009,93 r4
  circle w0.254: c93.009,93 r4
  circle w0.254: c139.509,93 r4
  circle w0.254: c93.009,139.5 r4
  circle w0.254: c93.009,204.5 r4
  circle w0.254: c139.509,251 r4
  circle w0.254: c204.509,251 r4
  circle w0.254: c251.009,204.5 r4
  circle w0.254: c107,97 r1.6
  circle w0.254: c97,107 r1.6
  circle w0.254: c97,237 r1.6
  circle w0.254: c97,171.992 r1.6
  circle w0.254: c172,247 r1.6
  circle w0.254: c237,247 r1.6
  circle w0.254: c247,172 r1.6
  circle w0.254: c172,97 r1.6
  circle w0.254: c93,251 r4
  lines w0.2: 29,334 29,338 ; 39,334 39,338 ; 58,114.4 58,117.58 ; 58,214.9 58,218.08 ; 60,114.31 60,117.49 ; 60,214.81 60,217.99 ; 284,128.41 284,131.59 ; 284,228.91 284,232.09 ; 286,128.32 286,131.5 ; 286,228.82 286,232 ; 315,334 315,338
  lines w0.254: 29,334 ccw(c34,334) 39,334 ; 29,338 cw(c34,338) 39,338 ; 58,114.4 ccw(c59,114.4) 59,113.4 ccw(c59,114.4) 60,114.4 ; 58,117.5 cw(c59,117.5) 59,118.5 cw(c59,117.5) 60,117.5 ; 58,214.9 ccw(c59,214.9) 59,213.9 ccw(c59,214.9) 60,214.9 ; 58,218 cw(c59,218) 59,219 cw(c59,218) 60,218 ; 284,128.4 ccw(c285,128.4) 285,127.4 ccw(c285,128.4) 286,128.4 ; 284,131.5 cw(c285,131.5) 285,132.5 cw(c285,131.5) 286,131.5 ; 284,228.9 ccw(c285,228.9) 285,227.9 ccw(c285,228.9) 286,228.9 ; 284,232 cw(c285,232) 285,233 cw(c285,232) 286,232 ; 305,334 ccw(c310,334) 315,334 ; 305,338 cw(c310,338) 315,338
  lines w0.5: -1,-1 344,344 ; 93,139.5 251,139.5 ; 93,204.5 251,204.5 ; 93,251 93,172 93,93 172,93 251,93 251,172 ; 96.775,247 62,247 62,27 ; 100,100 244,244 ; 100,244 244,100 ; 101,104 101,103 ; 102.25,247 102.25,251 122.2,251 122.2,247 ; 112.225,249.5 112.225,251 ; 172,-1.844 172,357.156 ; 204.5,251 204.5,93 ; 250.991,171.877 250.991,251.239 139.5,251.239 139.5,93 ; 251,247 282,247 282,27 62,27 ; 345,-1 0,344 ; 0,344 344,344 ; 0,344 0,0 344,0 344,344 ; 62,27 62,27 ; 101,103 ccw(c103,103) 103,101 241,101 ccw(c241,103) 243,103 243,241 ccw(c241,241) 241,243 103,243 ccw(c103,241) 101,241 101,103 ; 139.5,93 139.5,93 ; 204.5,93 204.5,93 ; -13,0 -11,-2 344,-2 355,-2 357,0 357,13 357,331 357,342 355,344 346,344 cw(c346,346) 344,346 344,355 342,357 2,357 0,355 0,346 cw(c-2,346) -2,344 -11,344 -13,342 -13,333 -13,0 ; 97,97 247,97 247,247 97,247 97,97
  text "Mounting for 210x210mm cells" at 225.254,28.762 h1.52

## Text inside footprints (layer, text, board x,y; h text height)
X1: Top Overlay "20" at 243.64,348 h1.02 r180; Top Overlay "19" at 243.64,355 h1.02 r180; Top Overlay "2" at 268.96,348 h1.02 r180; Top Overlay "1" at 268.66,355 h1.02 r180
X2: Mechanical 1 "Plug" at 369.502,298.3 h1 r90; Mechanical 15 "Board Edge" at 364.002,296.5 h0.75 r90
X10: Top Overlay "1" at 26.289,341.599 h1.52 r90
X11: Top Overlay "1" at 317.211,330.401 h1.52 r270